# KiCad board Bridge.kicad_pcb (continued)
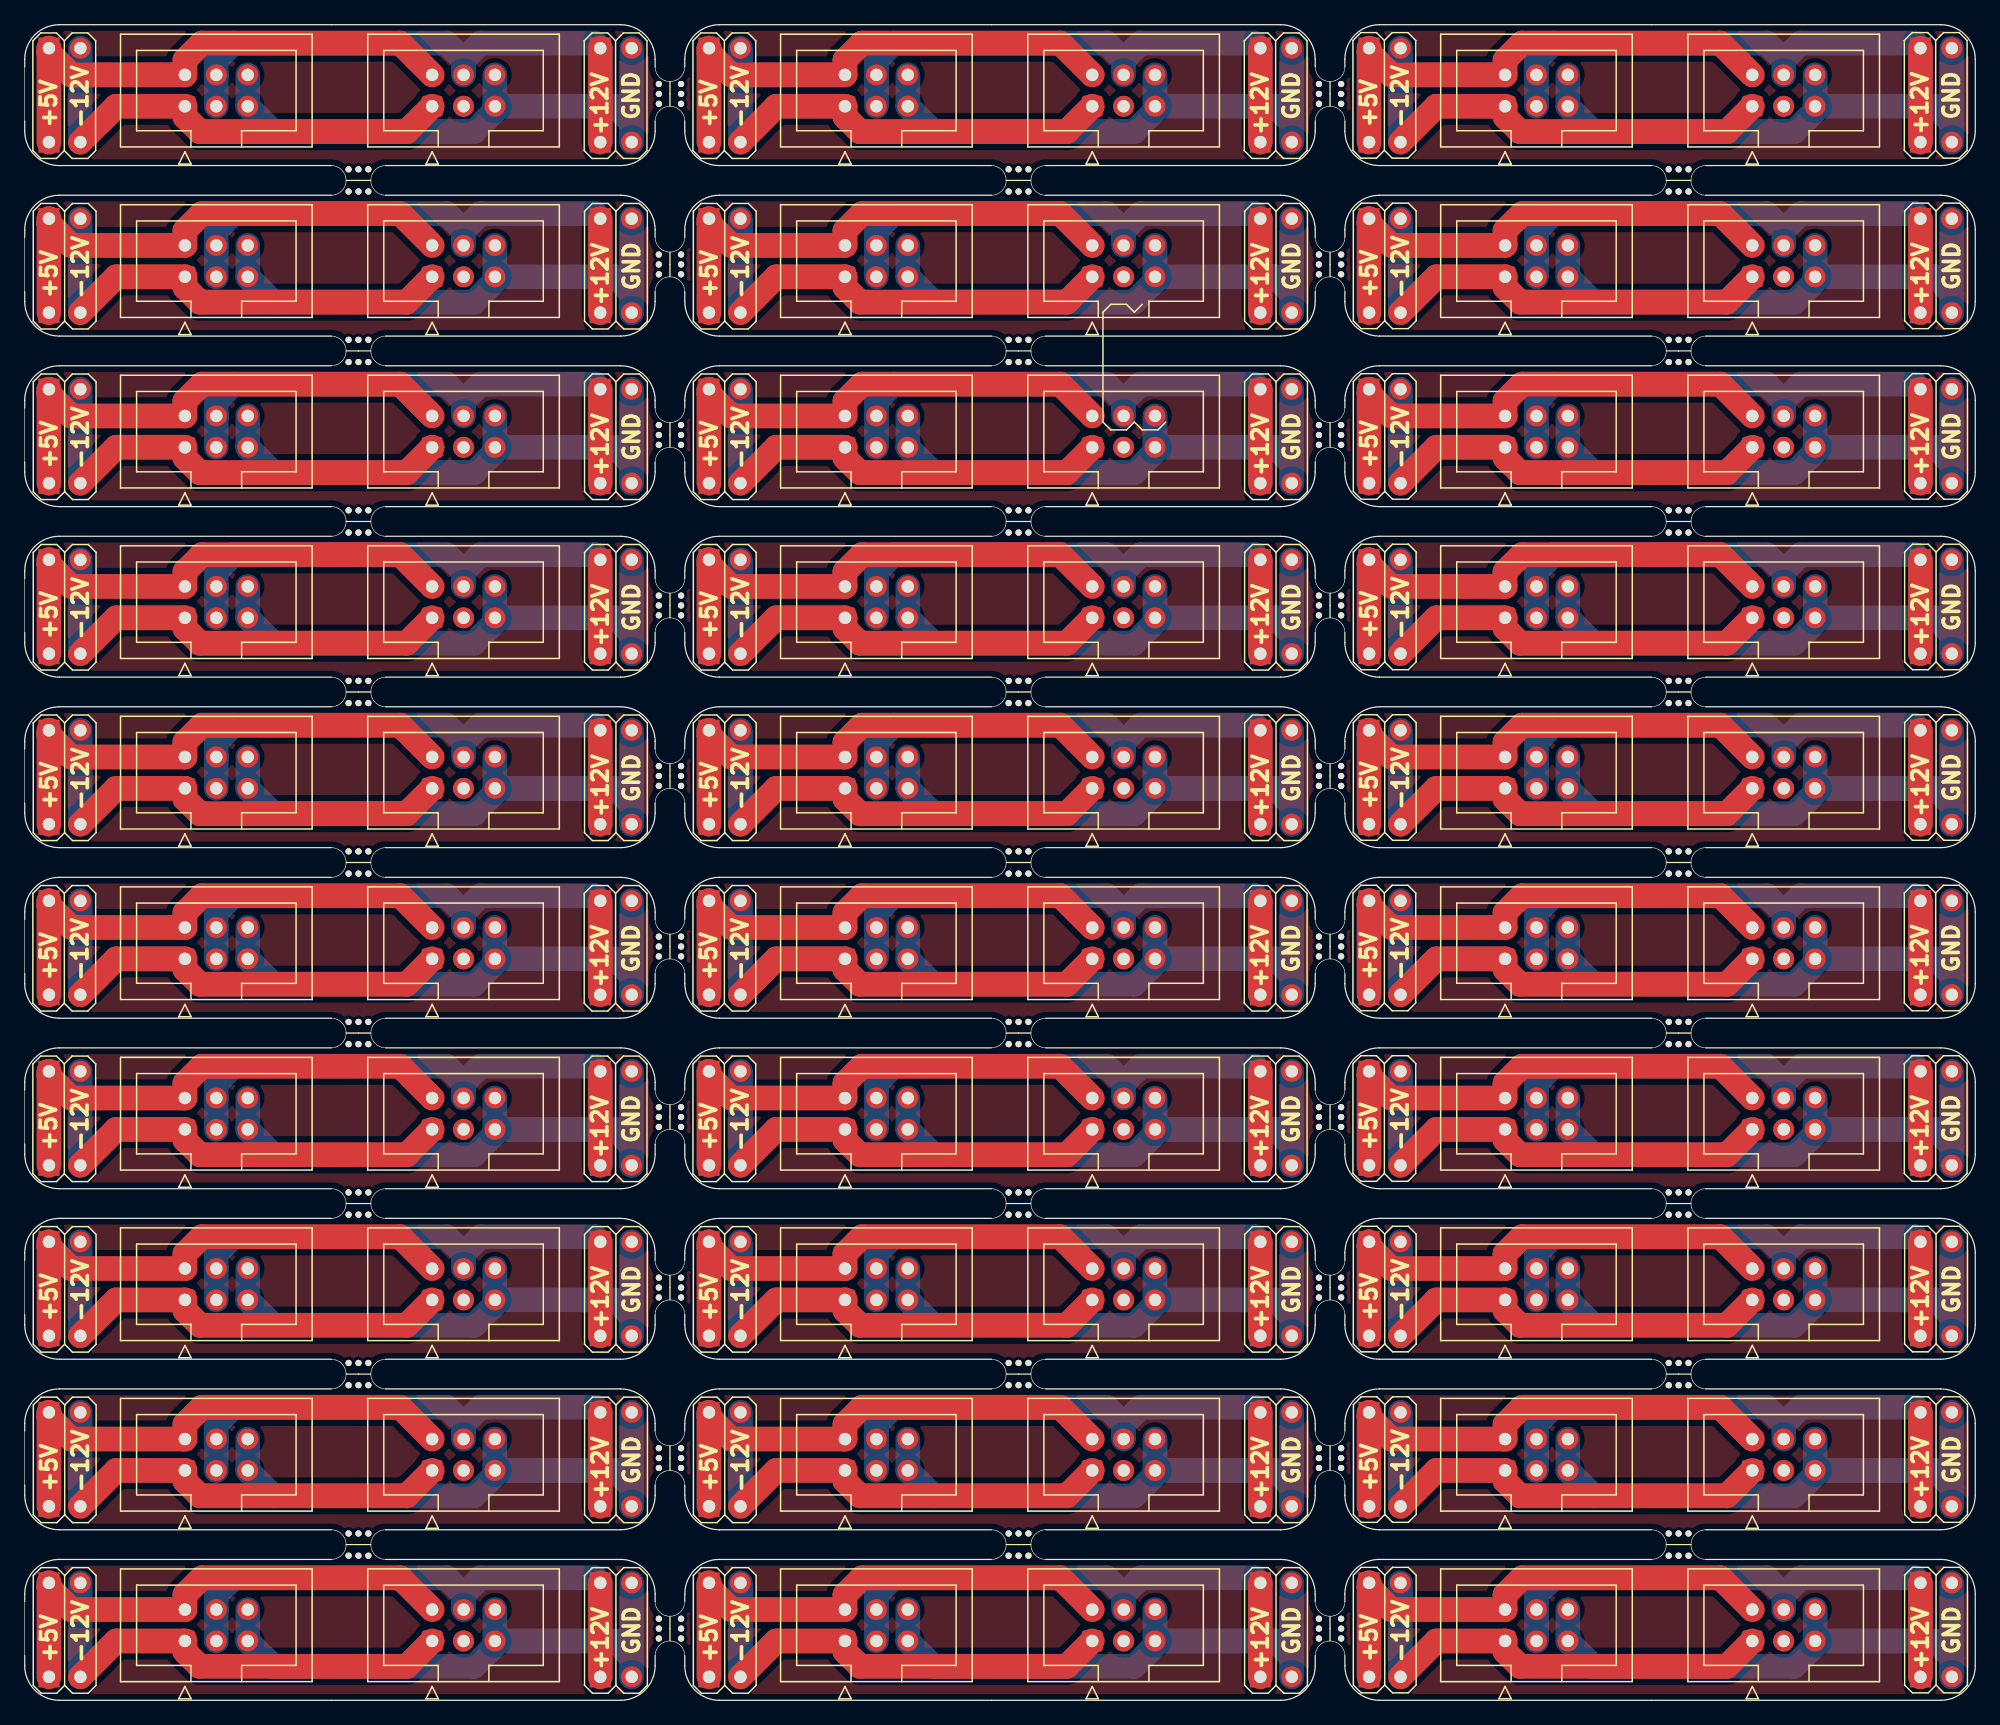
[diagram p0: board, top side]
## Placement (name value [footprint] x y rotation side) (continued)
J16#24  SE  [PinHeader_1x02_P2.54mm_Vertical]  153.36 126.1 270 bottom
J16#25  SE  [PinHeader_1x02_P2.54mm_Vertical]  99.96 15.7 270 bottom
J16#26  SE  [PinHeader_1x02_P2.54mm_Vertical]  99.96 29.5 270 bottom
J16#27  SE  [PinHeader_1x02_P2.54mm_Vertical]  153.36 84.7 270 bottom
J16#28  SE  [PinHeader_1x02_P2.54mm_Vertical]  46.56 126.1 270 bottom
J16#29  SE  [PinHeader_1x02_P2.54mm_Vertical]  46.56 57.1 270 bottom
J16#30  SE  [PinHeader_1x02_P2.54mm_Vertical]  46.56 70.9 270 bottom
REF**  -  [Mousebite2mm]  52.2 130 90 top
REF**#2  -  [Mousebite2mm]  80.4 123 0 top
REF**#3  -  [Mousebite2mm]  133.8 40.2 0 top
REF**#4  -  [Mousebite2mm]  133.8 54 0 top
REF**#5  -  [Mousebite2mm]  105.6 102.4 90 top
REF**#6  -  [Mousebite2mm]  27 12.6 0 top
REF**#7  -  [Mousebite2mm]  105.6 116.2 90 top
REF**#8  -  [Mousebite2mm]  52.2 61 90 top
REF**#9  -  [Mousebite2mm]  80.4 109.2 0 top
REF**#10  -  [Mousebite2mm]  27 81.6 0 top
REF**#11  -  [Mousebite2mm]  133.8 81.6 0 top
REF**#12  -  [Mousebite2mm]  80.4 81.6 0 top
REF**#13  -  [Mousebite2mm]  105.6 88.6 90 top
REF**#14  -  [Mousebite2mm]  80.4 67.8 0 top
REF**#15  -  [Mousebite2mm]  105.6 130 90 top
REF**#16  -  [Mousebite2mm]  105.6 5.8 90 top
REF**#17  -  [Mousebite2mm]  27 95.4 0 top
REF**#18  -  [Mousebite2mm]  52.2 33.4 90 top
REF**#19  -  [Mousebite2mm]  133.8 26.4 0 top
REF**#20  -  [Mousebite2mm]  133.8 67.8 0 top
REF**#21  -  [Mousebite2mm]  52.2 47.2 90 top
REF**#22  -  [Mousebite2mm]  80.4 54 0 top
REF**#23  -  [Mousebite2mm]  52.2 74.8 90 top
REF**#24  -  [Mousebite2mm]  105.6 74.8 90 top
REF**#25  -  [Mousebite2mm]  52.2 19.6 90 top
REF**#26  -  [Mousebite2mm]  105.6 47.2 90 top
REF**#27  -  [Mousebite2mm]  80.4 95.4 0 top
REF**#28  -  [Mousebite2mm]  80.4 40.2 0 top
REF**#29  -  [Mousebite2mm]  52.2 102.4 90 top
REF**#30  -  [Mousebite2mm]  133.8 12.6 0 top
REF**#31  -  [Mousebite2mm]  27 40.2 0 top
REF**#32  -  [Mousebite2mm]  27 109.2 0 top
REF**#33  -  [Mousebite2mm]  133.8 95.4 0 top
REF**#34  -  [Mousebite2mm]  52.2 116.2 90 top
REF**#35  -  [Mousebite2mm]  27 123 0 top
REF**#36  -  [Mousebite2mm]  80.4 12.6 0 top
REF**#37  -  [Mousebite2mm]  27 67.8 0 top
REF**#38  -  [Mousebite2mm]  105.6 33.4 90 top
REF**#39  -  [Mousebite2mm]  27 54 0 top
REF**#40  -  [Mousebite2mm]  52.2 88.6 90 top
REF**#41  -  [Mousebite2mm]  52.2 5.8 90 top
REF**#42  -  [Mousebite2mm]  105.6 61 90 top
REF**#43  -  [Mousebite2mm]  133.8 109.2 0 top
REF**#44  -  [Mousebite2mm]  80.4 26.4 0 top
REF**#45  -  [Mousebite2mm]  105.6 19.6 90 top
REF**#46  -  [Mousebite2mm]  133.8 123 0 top
REF**#47  -  [Mousebite2mm]  27 26.4 0 top

## Footprints (pads in the part's own frame, mm; a bottom-side part is the same pattern mirrored in y, then rotated)
IDC-Header_2x03_P2.54mm_Vertical
  rrect 1.7x1.7 hole 1: 1(0,0)
  round 1.7 hole 1: 2(2.54,0) 3(0,-2.54) 4(2.54,-2.54) 5(0,-5.08) 6(2.54,-5.08)
Mousebite2mm
  round 0.5 hole 0.5 unplated: (-0.8,0.9) (-0.8,-0.9) (0,0.9) (0,-0.9) (0.8,0.9) (0.8,-0.9)
PinHeader_1x02_P2.54mm_Vertical
  rect 1.7x1.7 hole 1: 1(0,0)
  oval 1.7x1.7 hole 1: 2(0,-2.54)

## Nets
DIST+5: J1.2 J1#2.2 J1#3.2 J1#4.2 J1#5.2 J1#6.2 J1#7.2 J1#8.2 J1#9.2 J1#10.2 J1#11.2 J1#12.2 J1#13.2 J1#14.2 J1#15.2 J1#16.2 J1#17.2 J1#18.2 J1#19.2 J1#20.2 J1#21.2 J1#22.2 J1#23.2 J1#24.2 J1#25.2 J1#26.2 J1#27.2 J1#28.2 J1#29.2 J1#30.2 J4.2 J4#2.2 J4#3.2 J4#4.2 J4#5.2 J4#6.2 J4#7.2 J4#8.2 J4#9.2 J4#10.2 J4#11.2 J4#12.2 J4#13.2 J4#14.2 J4#15.2 J4#16.2 J4#17.2 J4#18.2 J4#19.2 J4#20.2 J4#21.2 J4#22.2 J4#23.2 J4#24.2 J4#25.2 J4#26.2 J4#27.2 J4#28.2 J4#29.2 J4#30.2 J7.1 J7#2.1 J7#3.1 J7#4.1 J7#5.1 J7#6.1 J7#7.1 J7#8.1 J7#9.1 J7#10.1 J7#11.1 J7#12.1 J7#13.1 J7#14.1 J7#15.1 J7#16.1 J7#17.1 J7#18.1 J7#19.1 J7#20.1 J7#21.1 J7#22.1 J7#23.1 J7#24.1 J7#25.1 J7#26.1 J7#27.1 J7#28.1 J7#29.1 J7#30.1 J10.1 J10#2.1 J10#3.1 J10#4.1 J10#5.1 J10#6.1 J10#7.1 J10#8.1 J10#9.1 J10#10.1 J10#11.1 J10#12.1 J10#13.1 J10#14.1 J10#15.1 J10#16.1 J10#17.1 J10#18.1 J10#19.1 J10#20.1 J10#21.1 J10#22.1 J10#23.1 J10#24.1 J10#25.1 J10#26.1 J10#27.1 J10#28.1 J10#29.1 J10#30.1
DIST+12: J1.3 J1.4 J1#2.3 J1#2.4 J1#3.3 J1#3.4 J1#4.3 J1#4.4 J1#5.3 J1#5.4 J1#6.3 J1#6.4 J1#7.3 J1#7.4 J1#8.3 J1#8.4 J1#9.3 J1#9.4 J1#10.3 J1#10.4 J1#11.3 J1#11.4 J1#12.3 J1#12.4 J1#13.3 J1#13.4 J1#14.3 J1#14.4 J1#15.3 J1#15.4 J1#16.3 J1#16.4 J1#17.3 J1#17.4 J1#18.3 J1#18.4 J1#19.3 J1#19.4 J1#20.3 J1#20.4 J1#21.3 J1#21.4 J1#22.3 J1#22.4 J1#23.3 J1#23.4 J1#24.3 J1#24.4 J1#25.3 J1#25.4 J1#26.3 J1#26.4 J1#27.3 J1#27.4 J1#28.3 J1#28.4 J1#29.3 J1#29.4 J1#30.3 J1#30.4 J4.3 J4.4 J4#2.3 J4#2.4 J4#3.3 J4#3.4 J4#4.3 J4#4.4 J4#5.3 J4#5.4 J4#6.3 J4#6.4 J4#7.3 J4#7.4 J4#8.3 J4#8.4 J4#9.3 J4#9.4 J4#10.3 J4#10.4 J4#11.3 J4#11.4 J4#12.3 J4#12.4 J4#13.3 J4#13.4 J4#14.3 J4#14.4 J4#15.3 J4#15.4 J4#16.3 J4#16.4 J4#17.3 J4#17.4 J4#18.3 J4#18.4 J4#19.3 J4#19.4 J4#20.3 J4#20.4 J4#21.3 J4#21.4 J4#22.3 J4#22.4 J4#23.3 J4#23.4 J4#24.3 J4#24.4 J4#25.3 J4#25.4 J4#26.3 J4#26.4 J4#27.3 J4#27.4 J4#28.3 J4#28.4 J4#29.3 J4#29.4 J4#30.3 J4#30.4 J13.1 J13#2.1 J13#3.1 J13#4.1 J13#5.1 J13#6.1 J13#7.1 J13#8.1 J13#9.1 J13#10.1 J13#11.1 J13#12.1 J13#13.1 J13#14.1 J13#15.1 J13#16.1 J13#17.1 J13#18.1 J13#19.1 J13#20.1 J13#21.1 J13#22.1 J13#23.1 J13#24.1 J13#25.1 J13#26.1 J13#27.1 J13#28.1 J13#29.1 J13#30.1 J16.1 J16#2.1 J16#3.1 J16#4.1 J16#5.1 J16#6.1 J16#7.1 J16#8.1 J16#9.1 J16#10.1 J16#11.1 J16#12.1 J16#13.1 J16#14.1 J16#15.1 J16#16.1 J16#17.1 J16#18.1 J16#19.1 J16#20.1 J16#21.1 J16#22.1 J16#23.1 J16#24.1 J16#25.1 J16#26.1 J16#27.1 J16#28.1 J16#29.1 J16#30.1
DIST-12: J1.1 J1#2.1 J1#3.1 J1#4.1 J1#5.1 J1#6.1 J1#7.1 J1#8.1 J1#9.1 J1#10.1 J1#11.1 J1#12.1 J1#13.1 J1#14.1 J1#15.1 J1#16.1 J1#17.1 J1#18.1 J1#19.1 J1#20.1 J1#21.1 J1#22.1 J1#23.1 J1#24.1 J1#25.1 J1#26.1 J1#27.1 J1#28.1 J1#29.1 J1#30.1 J4.1 J4#2.1 J4#3.1 J4#4.1 J4#5.1 J4#6.1 J4#7.1 J4#8.1 J4#9.1 J4#10.1 J4#11.1 J4#12.1 J4#13.1 J4#14.1 J4#15.1 J4#16.1 J4#17.1 J4#18.1 J4#19.1 J4#20.1 J4#21.1 J4#22.1 J4#23.1 J4#24.1 J4#25.1 J4#26.1 J4#27.1 J4#28.1 J4#29.1 J4#30.1 J7.2 J7#2.2 J7#3.2 J7#4.2 J7#5.2 J7#6.2 J7#7.2 J7#8.2 J7#9.2 J7#10.2 J7#11.2 J7#12.2 J7#13.2 J7#14.2 J7#15.2 J7#16.2 J7#17.2 J7#18.2 J7#19.2 J7#20.2 J7#21.2 J7#22.2 J7#23.2 J7#24.2 J7#25.2 J7#26.2 J7#27.2 J7#28.2 J7#29.2 J7#30.2 J10.2 J10#2.2 J10#3.2 J10#4.2 J10#5.2 J10#6.2 J10#7.2 J10#8.2 J10#9.2 J10#10.2 J10#11.2 J10#12.2 J10#13.2 J10#14.2 J10#15.2 J10#16.2 J10#17.2 J10#18.2 J10#19.2 J10#20.2 J10#21.2 J10#22.2 J10#23.2 J10#24.2 J10#25.2 J10#26.2 J10#27.2 J10#28.2 J10#29.2 J10#30.2
DISTGND: J1.5 J1.6 J1#2.5 J1#2.6 J1#3.5 J1#3.6 J1#4.5 J1#4.6 J1#5.5 J1#5.6 J1#6.5 J1#6.6 J1#7.5 J1#7.6 J1#8.5 J1#8.6 J1#9.5 J1#9.6 J1#10.5 J1#10.6 J1#11.5 J1#11.6 J1#12.5 J1#12.6 J1#13.5 J1#13.6 J1#14.5 J1#14.6 J1#15.5 J1#15.6 J1#16.5 J1#16.6 J1#17.5 J1#17.6 J1#18.5 J1#18.6 J1#19.5 J1#19.6 J1#20.5 J1#20.6 J1#21.5 J1#21.6 J1#22.5 J1#22.6 J1#23.5 J1#23.6 J1#24.5 J1#24.6 J1#25.5 J1#25.6 J1#26.5 J1#26.6 J1#27.5 J1#27.6 J1#28.5 J1#28.6 J1#29.5 J1#29.6 J1#30.5 J1#30.6 J4.5 J4.6 J4#2.5 J4#2.6 J4#3.5 J4#3.6 J4#4.5 J4#4.6 J4#5.5 J4#5.6 J4#6.5 J4#6.6 J4#7.5 J4#7.6 J4#8.5 J4#8.6 J4#9.5 J4#9.6 J4#10.5 J4#10.6 J4#11.5 J4#11.6 J4#12.5 J4#12.6 J4#13.5 J4#13.6 J4#14.5 J4#14.6 J4#15.5 J4#15.6 J4#16.5 J4#16.6 J4#17.5 J4#17.6 J4#18.5 J4#18.6 J4#19.5 J4#19.6 J4#20.5 J4#20.6 J4#21.5 J4#21.6 J4#22.5 J4#22.6 J4#23.5 J4#23.6 J4#24.5 J4#24.6 J4#25.5 J4#25.6 J4#26.5 J4#26.6 J4#27.5 J4#27.6 J4#28.5 J4#28.6 J4#29.5 J4#29.6 J4#30.5 J4#30.6 J13.2 J13#2.2 J13#3.2 J13#4.2 J13#5.2 J13#6.2 J13#7.2 J13#8.2 J13#9.2 J13#10.2 J13#11.2 J13#12.2 J13#13.2 J13#14.2 J13#15.2 J13#16.2 J13#17.2 J13#18.2 J13#19.2 J13#20.2 J13#21.2 J13#22.2 J13#23.2 J13#24.2 J13#25.2 J13#26.2 J13#27.2 J13#28.2 J13#29.2 J13#30.2 J16.2 J16#2.2 J16#3.2 J16#4.2 J16#5.2 J16#6.2 J16#7.2 J16#8.2 J16#9.2 J16#10.2 J16#11.2 J16#12.2 J16#13.2 J16#14.2 J16#15.2 J16#16.2 J16#17.2 J16#18.2 J16#19.2 J16#20.2 J16#21.2 J16#22.2 J16#23.2 J16#24.2 J16#25.2 J16#26.2 J16#27.2 J16#28.2 J16#29.2 J16#30.2

## Routing (per net, layer and track width the routed paths; a pad name or vN(x,y) marks a point on that pad's centre or on a via; arc(x,y) is an arc through that point)
DIST+5: length 1276.2
  Top w2: J1#21.2 137.19,78.91 121.13,78.91 119.76,77.54 J4#20.2 110.56,76.34 108.76,78.14 J7#25.1 J10#27.1 ; J10#11.1 J7#3.1 1.96,91.94 3.76,90.14 J4#21.2 12.96,91.34 14.33,92.71 30.39,92.71 J1#17.2 ; J1#29.2 30.39,51.31 14.33,51.31 12.96,49.94 J4#16.2 3.76,48.74 1.96,50.54 J7#30.1 J10#21.1 ; J1#14.2 137.19,23.71 121.13,23.71 119.76,22.34 J4#13.2 110.56,21.14 108.76,22.94 J7#22.1 J10#17.1 ; J10#20.1 J7#2.1 55.36,91.94 57.16,90.14 J4#2.2 66.36,91.34 67.73,92.71 83.79,92.71 J1#3.2 ; J10#10.1 J7#19.1 108.76,119.54 110.56,117.74 J4#18.2 119.76,118.94 121.13,120.31 137.19,120.31 J1#13.2 ; J1#20.2 30.39,9.91 14.33,9.91 12.96,8.54 J4#15.2 3.76,7.34 1.96,9.14 J7#7.1 J10#26.1 ; J10#4.1 J7#18.1 108.76,105.74 110.56,103.94 J4#25.2 119.76,105.14 121.13,106.51 137.19,106.51 J1#11.2 ; J1#24.2 30.39,134.11 14.33,134.11 12.96,132.74 J4#3.2 3.76,131.54 1.96,133.34 J7#4.1 J10#3.1 ; J1#16.2 83.79,78.91 67.73,78.91 66.36,77.54 J4#11.2 57.16,76.34 55.36,78.14 J7#29.1 J10#18.1 ; J1#23.2 83.79,51.31 67.73,51.31 66.36,49.94 J4#12.2 57.16,48.74 55.36,50.54 J7#14.1 J10#9.1 ; J1#27.2 83.79,37.51 67.73,37.51 66.36,36.14 J4#7.2 57.16,34.94 55.36,36.74 J7#6.1 J10#25.1 ; J1.2 137.19,134.11 121.13,134.11 119.76,132.74 J4#23.2 110.56,131.54 108.76,133.34 J7#17.1 J10#15.1 ; J10#19.1 J7#24.1 55.36,133.34 57.16,131.54 J4#29.2 66.36,132.74 67.73,134.11 83.79,134.11 J1#30.2 ; J1#18.2 137.19,65.11 121.13,65.11 119.76,63.74 J4#10.2 110.56,62.54 108.76,64.34 J7#5.1 J10#23.1 ; J1#12.2 83.79,65.11 67.73,65.11 66.36,63.74 J4#26.2 57.16,62.54 55.36,64.34 J7#13.1 J10.1 ; J1#9.2 30.39,120.31 14.33,120.31 12.96,118.94 J4#6.2 3.76,117.74 1.96,119.54 J7#9.1 J10#30.1 ; J1#6.2 30.39,23.71 14.33,23.71 12.96,22.34 J4#9.2 3.76,21.14 1.96,22.94 J7#21.1 J10#16.1 ; J10#8.1 J7#11.1 1.96,36.74 3.76,34.94 J4#24.2 12.96,36.14 14.33,37.51 30.39,37.51 J1#7.2 ; J10#12.1 J7#20.1 55.36,119.54 57.16,117.74 J4#5.2 66.36,118.94 67.73,120.31 83.79,120.31 J1#10.2 ; J10#29.1 J7#8.1 55.36,22.94 57.16,21.14 J4#4.2 66.36,22.34 67.73,23.71 83.79,23.71 J1#25.2 ; J1#2.2 137.19,92.71 121.13,92.71 119.76,91.34 J4#14.2 110.56,90.14 108.76,91.94 J7.1 J10#22.1 ; J10#7.1 J7#23.1 55.36,9.14 57.16,7.34 J4.2 66.36,8.54 67.73,9.91 83.79,9.91 J1#22.2 ; J1#26.2 30.39,78.91 14.33,78.91 12.96,77.54 J4#28.2 3.76,76.34 1.96,78.14 J7#26.1 J10#6.1 ; J10#5.1 J7#12.1 1.96,64.34 3.76,62.54 J4#8.2 12.96,63.74 14.33,65.11 30.39,65.11 J1#28.2 ; J1#15.2 137.19,37.51 121.13,37.51 119.76,36.14 J4#30.2 110.56,34.94 108.76,36.74 J7#16.1 J10#2.1 ; J10#28.1 J7#28.1 1.96,105.74 3.76,103.94 J4#27.2 12.96,105.14 14.33,106.51 30.39,106.51 J1#8.2 ; J10#14.1 J7#27.1 108.76,50.54 110.56,48.74 J4#19.2 119.76,49.94 121.13,51.31 137.19,51.31 J1#19.2 ; J1#5.2 137.19,9.91 121.13,9.91 119.76,8.54 J4#22.2 110.56,7.34 108.76,9.14 J7#10.1 J10#24.1 ; J10#13.1 J7#15.1 55.36,105.74 57.16,103.94 J4#17.2 66.36,105.14 67.73,106.51 83.79,106.51 J1#4.2
DIST+12: length 1364.2
  Top w2: J13#27.1 J16#8.1 ; J13#28.1 J16#9.1 ; J13#30.1 J16#3.1 ; J13#11.1 J16#16.1 ; J13#26.1 J16#23.1 ; J13#12.1 J16#10.1 ; J13#14.1 J16#22.1 ; J13#21.1 J16#6.1 ; J13#6.1 J16#29.1 ; J13#17.1 J16#13.1 ; J13#18.1 J16#27.1 ; J13#7.1 J16#4.1 ; J13#19.1 J16#15.1 ; J13#9.1 J16#24.1 ; J13#20.1 J16#7.1 ; J13#13.1 J16#12.1 ; J13.1 J16#5.1 ; J13#2.1 J16#30.1 ; J13#4.1 J16.1 ; J13#25.1 J16#25.1 ; J13#5.1 J16#11.1 ; J13#24.1 J16#26.1 ; J13#29.1 J16#2.1 ; J13#16.1 J16#20.1 ; J13#8.1 J16#14.1 ; J13#22.1 J16#19.1 ; J13#15.1 J16#18.1 ; J13#23.1 J16#17.1 ; J13#3.1 J16#21.1 ; J13#10.1 J16#28.1
  Bottom w2: J1#14.4 142.3,22.34 ; 142.3,22.34 140.93,23.71 123.67,23.71 122.3,22.34 J4#13.4 J4#13.3 ; 142.3,22.34 143.67,23.71 152.95,23.71 J13#4.1 ; J4#24.3 J4#24.4 15.5,36.14 16.87,37.51 34.13,37.51 35.5,36.14 ; J13#27.1 99.55,120.31 90.27,120.31 88.9,118.94 ; 35.5,49.94 34.13,51.31 16.87,51.31 15.5,49.94 J4#16.4 J4#16.3 ; 35.5,49.94 J1#29.4 ; 35.5,49.94 36.87,51.31 46.15,51.31 J13#15.1 ; J13#25.1 99.55,23.71 90.27,23.71 88.9,22.34 ; 88.9,22.34 87.53,23.71 70.27,23.71 68.9,22.34 J4#4.4 J4#4.3 ; 88.9,22.34 J1#25.4 ; 88.9,132.74 87.53,134.11 70.27,134.11 68.9,132.74 J4#29.4 J4#29.3 ; 88.9,132.74 J1#30.4 ; 88.9,132.74 90.27,134.11 99.55,134.11 J13#8.1 ; J13#5.1 46.15,120.31 36.87,120.31 35.5,118.94 ; J4#30.3 J4#30.4 122.3,36.14 123.67,37.51 140.93,37.51 142.3,36.14 ; J13#18.1 152.95,92.71 143.67,92.71 142.3,91.34 ; 35.5,36.14 36.87,37.51 46.15,37.51 J13#7.1 ; 35.5,36.14 J1#7.4 ; 142.3,8.54 143.67,9.91 152.95,9.91 J13.1 ; 142.3,8.54 J1#5.4 ; 142.3,8.54 140.93,9.91 123.67,9.91 122.3,8.54 J4#22.4 J4#22.3 ; J4#7.3 J4#7.4 68.9,36.14 70.27,37.51 87.53,37.51 88.9,36.14 ; 35.5,105.14 36.87,106.51 46.15,106.51 J13#26.1 ; 35.5,105.14 J1#8.4 ; 35.5,105.14 34.13,106.51 16.87,106.51 15.5,105.14 J4#27.4 J4#27.3 ; J1#28.4 35.5,63.74 ; 35.5,63.74 36.87,65.11 46.15,65.11 J13#6.1 ; 35.5,63.74 34.13,65.11 16.87,65.11 15.5,63.74 J4#8.4 J4#8.3 ; 88.9,91.34 87.53,92.71 70.27,92.71 68.9,91.34 J4#2.4 J4#2.3 ; 88.9,91.34 J1#3.4 ; 88.9,91.34 90.27,92.71 99.55,92.71 J13#21.1 ; 88.9,36.14 90.27,37.51 99.55,37.51 J13#24.1 ; 88.9,36.14 J1#27.4 ; 35.5,91.34 34.13,92.71 16.87,92.71 15.5,91.34 J4#21.4 J4#21.3 ; 35.5,91.34 J1#17.4 ; 35.5,91.34 36.87,92.71 46.15,92.71 J13#29.1 ; J1#11.4 142.3,105.14 ; 142.3,105.14 140.93,106.51 123.67,106.51 122.3,105.14 J4#25.4 J4#25.3 ; 142.3,105.14 143.67,106.51 152.95,106.51 J13#22.1 ; 142.3,49.94 140.93,51.31 123.67,51.31 122.3,49.94 J4#19.4 J4#19.3 ; 142.3,49.94 143.67,51.31 152.95,51.31 J13#14.1 ; 142.3,49.94 J1#19.4 ; 142.3,91.34 140.93,92.71 123.67,92.71 122.3,91.34 J4#14.4 J4#14.3 ; 142.3,91.34 J1#2.4 ; J1#9.4 35.5,118.94 ; 35.5,118.94 34.13,120.31 16.87,120.31 15.5,118.94 J4#6.4 J4#6.3 ; J13#16.1 46.15,9.91 36.87,9.91 35.5,8.54 ; 35.5,22.34 34.13,23.71 16.87,23.71 15.5,22.34 J4#9.4 J4#9.3 ; 35.5,22.34 J1#6.4 ; 35.5,22.34 36.87,23.71 46.15,23.71 J13#28.1 ; J13#19.1 152.95,37.51 143.67,37.51 142.3,36.14 ; J4#12.3 J4#12.4 68.9,49.94 70.27,51.31 87.53,51.31 88.9,49.94 ; J1#15.4 142.3,36.14 ; 142.3,63.74 143.67,65.11 152.95,65.11 J13#17.1 ; 142.3,63.74 140.93,65.11 123.67,65.11 122.3,63.74 J4#10.4 J4#10.3 ; 142.3,63.74 J1#18.4 ; J1#20.4 35.5,8.54 ; 35.5,8.54 34.13,9.91 16.87,9.91 15.5,8.54 J4#15.4 J4#15.3 ; 35.5,77.54 34.13,78.91 16.87,78.91 15.5,77.54 J4#28.4 J4#28.3 ; 35.5,77.54 J1#26.4 ; 35.5,77.54 36.87,78.91 46.15,78.91 J13#2.1 ; J1#16.4 88.9,77.54 ; 88.9,77.54 87.53,78.91 70.27,78.91 68.9,77.54 J4#11.4 J4#11.3 ; 88.9,77.54 90.27,78.91 99.55,78.91 J13#13.1 ; J1#24.4 35.5,132.74 ; 35.5,132.74 34.13,134.11 16.87,134.11 15.5,132.74 J4#3.4 J4#3.3 ; 35.5,132.74 36.87,134.11 46.15,134.11 J13#10.1 ; J4#17.3 J4#17.4 68.9,105.14 70.27,106.51 87.53,106.51 88.9,105.14 ; J1#21.4 142.3,77.54 ; 142.3,77.54 143.67,78.91 152.95,78.91 J13#23.1 ; 142.3,77.54 140.93,78.91 123.67,78.91 122.3,77.54 J4#20.4 J4#20.3 ; J1#22.4 88.9,8.54 ; 88.9,8.54 87.53,9.91 70.27,9.91 68.9,8.54 J4.4 J4.3 ; 88.9,8.54 90.27,9.91 99.55,9.91 J13#3.1 ; 88.9,49.94 90.27,51.31 99.55,51.31 J13#20.1 ; 88.9,49.94 J1#23.4 ; J4#5.3 J4#5.4 68.9,118.94 70.27,120.31 87.53,120.31 88.9,118.94 ; J1.4 142.3,132.74 ; 142.3,132.74 143.67,134.11 152.95,134.11 J13#9.1 ; 142.3,132.74 140.93,134.11 123.67,134.11 122.3,132.74 J4#23.4 J4#23.3 ; J1#12.4 88.9,63.74 ; 88.9,63.74 87.53,65.11 70.27,65.11 68.9,63.74 J4#26.4 J4#26.3 ; 88.9,63.74 90.27,65.11 99.55,65.11 J13#11.1 ; 142.3,118.94 143.67,120.31 152.95,120.31 J13#30.1 ; 142.3,118.94 J1#13.4 ; 142.3,118.94 140.93,120.31 123.67,120.31 122.3,118.94 J4#18.4 J4#18.3 ; J13#12.1 99.55,106.51 90.27,106.51 88.9,105.14 ; J1#4.4 88.9,105.14 ; J1#10.4 88.9,118.94
DIST-12: length 1183.7
  Top w2: J10.2 60.8,60 J4#26.1 66.36,59.15 67.56,57.95 84.31,57.95 J1#12.1 ; J10#13.2 60.8,101.4 J4#17.1 66.36,100.55 67.56,99.35 84.31,99.35 J1#4.1 ; J1#19.1 137.71,44.15 120.96,44.15 119.76,45.35 J4#19.1 114.2,46.2 J10#14.2 ; J10#26.2 7.4,4.8 J4#15.1 12.96,3.95 14.16,2.75 30.91,2.75 J1#20.1 ; J1#2.1 137.71,85.55 120.96,85.55 119.76,86.75 J4#14.1 114.2,87.6 J10#22.2 ; J10#4.2 114.2,101.4 J4#25.1 119.76,100.55 120.96,99.35 137.71,99.35 J1#11.1 ; J10#29.2 60.8,18.6 J4#4.1 66.36,17.75 67.56,16.55 84.31,16.55 J1#25.1 ; J10#24.2 114.2,4.8 J4#22.1 119.76,3.95 120.96,2.75 137.71,2.75 J1#5.1 ; J10#21.2 7.4,46.2 J4#16.1 12.96,45.35 14.16,44.15 30.91,44.15 J1#29.1 ; J1#16.1 84.31,71.75 67.56,71.75 66.36,72.95 J4#11.1 60.8,73.8 J10#18.2 ; J1#17.1 30.91,85.55 14.16,85.55 12.96,86.75 J4#21.1 7.4,87.6 J10#11.2 ; J10#19.2 60.8,129 J4#29.1 66.36,128.15 67.56,126.95 84.31,126.95 J1#30.1 ; J1#24.1 30.91,126.95 14.16,126.95 12.96,128.15 J4#3.1 7.4,129 J10#3.2 ; J10#2.2 114.2,32.4 J4#30.1 119.76,31.55 120.96,30.35 137.71,30.35 J1#15.1 ; J10#12.2 60.8,115.2 J4#5.1 66.36,114.35 67.56,113.15 84.31,113.15 J1#10.1 ; J10#25.2 60.8,32.4 J4#7.1 66.36,31.55 67.56,30.35 84.31,30.35 J1#27.1 ; J10#7.2 60.8,4.8 J4.1 66.36,3.95 67.56,2.75 84.31,2.75 J1#22.1 ; J10#8.2 7.4,32.4 J4#24.1 12.96,31.55 14.16,30.35 30.91,30.35 J1#7.1 ; J10#23.2 114.2,60 J4#10.1 119.76,59.15 120.96,57.95 137.71,57.95 J1#18.1 ; J1#14.1 137.71,16.55 120.96,16.55 119.76,17.75 J4#13.1 114.2,18.6 J10#17.2 ; J1#28.1 30.91,57.95 14.16,57.95 12.96,59.15 J4#8.1 7.4,60 J10#5.2 ; J10#28.2 7.4,101.4 J4#27.1 12.96,100.55 14.16,99.35 30.91,99.35 J1#8.1 ; J1#3.1 84.31,85.55 67.56,85.55 66.36,86.75 J4#2.1 60.8,87.6 J10#20.2 ; J1#9.1 30.91,113.15 14.16,113.15 12.96,114.35 J4#6.1 7.4,115.2 J10#30.2 ; J10#10.2 114.2,115.2 J4#18.1 119.76,114.35 120.96,113.15 137.71,113.15 J1#13.1 ; J1.1 137.71,126.95 120.96,126.95 119.76,128.15 J4#23.1 114.2,129 J10#15.2 ; J1#21.1 137.71,71.75 120.96,71.75 119.76,72.95 J4#20.1 114.2,73.8 J10#27.2 ; J1#23.1 84.31,44.15 67.56,44.15 66.36,45.35 J4#12.1 60.8,46.2 J10#9.2 ; J10#6.2 7.4,73.8 J4#28.1 12.96,72.95 14.16,71.75 30.91,71.75 J1#26.1 ; J10#16.2 7.4,18.6 J4#9.1 12.96,17.75 14.16,16.55 30.91,16.55 J1#6.1
  Bottom w2: J7#10.2 J10#24.2 ; J7#27.2 J10#14.2 ; J7#4.2 J10#3.2 ; J7#8.2 J10#29.2 ; J7#12.2 J10#5.2 ; J7#25.2 J10#27.2 ; J7#11.2 J10#8.2 ; J7#5.2 J10#23.2 ; J7#20.2 J10#12.2 ; J7#7.2 J10#26.2 ; J7#24.2 J10#19.2 ; J7#30.2 J10#21.2 ; J7#29.2 J10#18.2 ; J7#14.2 J10#9.2 ; J7#6.2 J10#25.2 ; J7.2 J10#22.2 ; J7#15.2 J10#13.2 ; J7#22.2 J10#17.2 ; J7#2.2 J10#20.2 ; J7#16.2 J10#2.2 ; J7#28.2 J10#28.2 ; J7#9.2 J10#30.2 ; J7#21.2 J10#16.2 ; J7#13.2 J10.2 ; J7#17.2 J10#15.2 ; J7#26.2 J10#6.2 ; J7#19.2 J10#10.2 ; J7#18.2 J10#4.2 ; J7#3.2 J10#11.2 ; J7#23.2 J10#7.2
DISTGND: length 1432.9
  Bottom w2: J4#28.6 J4#28.5 20.09,71.75 36.35,71.75 38.04,73.44 J1#26.5 ; J1#19.5 144.84,45.84 143.15,44.15 126.89,44.15 J4#19.5 J4#19.6 ; J1#19.5 154.56,46.2 155.9,44.86 J16#22.2 J13#14.2 ; J1#19.5 J1#19.6 ; J4#7.6 J4#7.5 73.49,30.35 89.75,30.35 91.44,32.04 J1#27.5 ; J1#12.6 J1#12.5 ; J1#12.5 91.44,59.64 89.75,57.95 73.49,57.95 J4#26.5 J4#26.6 ; J1#12.5 101.16,60 102.5,58.66 J16#16.2 J13#11.2 ; J1#13.5 154.56,115.2 155.9,113.86 J16#3.2 J13#30.2 ; J1#13.5 144.84,114.84 143.15,113.15 126.89,113.15 J4#18.5 J4#18.6 ; J1#13.5 J1#13.6 ; J1.5 154.56,129 155.9,127.66 J16#24.2 J13#9.2 ; J1.5 144.84,128.64 143.15,126.95 126.89,126.95 J4#23.5 J4#23.6 ; J1.5 J1.6 ; J4#3.6 J4#3.5 20.09,126.95 36.35,126.95 38.04,128.64 J1#24.5 ; J13#8.2 J16#14.2 102.5,127.66 101.16,129 J1#30.5 ; J1#8.6 J1#8.5 ; J1#8.5 47.76,101.4 49.1,100.06 J16#23.2 J13#26.2 ; J1#8.5 38.04,101.04 36.35,99.35 20.09,99.35 J4#27.5 J4#27.6 ; J1#2.5 154.56,87.6 155.9,86.26 J16#27.2 J13#18.2 ; J1#2.5 J1#2.6 ; J1#2.5 144.84,87.24 143.15,85.55 126.89,85.55 J4#14.5 J4#14.6 ; J13#5.2 J16#11.2 49.1,113.86 47.76,115.2 J1#9.5 ; J1#14.6 J1#14.5 ; J1#14.5 144.84,18.24 143.15,16.55 126.89,16.55 J4#13.5 J4#13.6 ; J1#14.5 154.56,18.6 155.9,17.26 J16.2 J13#4.2 ; J1#27.5 J1#27.6 ; J1#27.5 101.16,32.4 102.5,31.06 J16#26.2 J13#24.2 ; J1#7.5 47.76,32.4 49.1,31.06 J16#4.2 J13#7.2 ; J1#7.5 J1#7.6 ; J1#7.5 38.04,32.04 36.35,30.35 20.09,30.35 J4#24.5 J4#24.6 ; J13#6.2 J16#29.2 49.1,58.66 47.76,60 J1#28.5 ; J1#25.6 J1#25.5 ; J1#25.5 101.16,18.6 102.5,17.26 J16#25.2 J13#25.2 ; J1#25.5 91.44,18.24 89.75,16.55 73.49,16.55 J4#4.5 J4#4.6 ; J1#26.5 47.76,73.8 49.1,72.46 J16#30.2 J13#2.2 ; J1#26.5 J1#26.6 ; J1#15.5 154.56,32.4 155.9,31.06 J16#15.2 J13#19.2 ; J1#15.5 J1#15.6 ; J1#15.5 144.84,32.04 143.15,30.35 126.89,30.35 J4#30.5 J4#30.6 ; J4#20.6 J4#20.5 126.89,71.75 143.15,71.75 144.84,73.44 J1#21.5 ; J1#17.5 47.76,87.6 49.1,86.26 J16#2.2 J13#29.2 ; J1#17.5 J1#17.6 ; J1#17.5 38.04,87.24 36.35,85.55 20.09,85.55 J4#21.5 J4#21.6 ; J4#17.6 J4#17.5 73.49,99.35 89.75,99.35 91.44,101.04 J1#4.5 ; J1#5.6 J1#5.5 ; J1#5.5 144.84,4.44 143.15,2.75 126.89,2.75 J4#22.5 J4#22.6 ; J1#5.5 154.56,4.8 155.9,3.46 J16#5.2 J13.2 ; J1#10.5 101.16,115.2 102.5,113.86 J16#8.2 J13#27.2 ; J1#10.5 91.44,114.84 89.75,113.15 73.49,113.15 J4#5.5 J4#5.6 ; J1#10.5 J1#10.6 ; J13#15.2 J16#18.2 49.1,44.86 47.76,46.2 J1#29.5 ; J1#20.5 47.76,4.8 49.1,3.46 J16#20.2 J13#16.2 ; J1#20.5 J1#20.6 ; J1#20.5 38.04,4.44 36.35,2.75 20.09,2.75 J4#15.5 J4#15.6 ; J13#20.2 J16#7.2 102.5,44.86 101.16,46.2 J1#23.5 ; J1#3.5 91.44,87.24 89.75,85.55 73.49,85.55 J4#2.5 J4#2.6 ; J1#3.5 101.16,87.6 102.5,86.26 J16#6.2 J13#21.2 ; J1#3.5 J1#3.6 ; J1#30.5 91.44,128.64 89.75,126.95 73.49,126.95 J4#29.5 J4#29.6 ; J1#30.5 J1#30.6 ; J1#6.6 J1#6.5 ; J1#6.5 47.76,18.6 49.1,17.26 J16#9.2 J13#28.2 ; J1#6.5 38.04,18.24 36.35,16.55 20.09,16.55 J4#9.5 J4#9.6 ; J1#16.5 91.44,73.44 89.75,71.75 73.49,71.75 J4#11.5 J4#11.6 ; J1#16.5 J1#16.6 ; J1#16.5 101.16,73.8 102.5,72.46 J16#12.2 J13#13.2 ; J1#22.6 J1#22.5 ; J1#22.5 91.44,4.44 89.75,2.75 73.49,2.75 J4.5 J4.6 ; J1#22.5 101.16,4.8 102.5,3.46 J16#21.2 J13#3.2 ; J1#28.5 38.04,59.64 36.35,57.95 20.09,57.95 J4#8.5 J4#8.6 ; J1#28.5 J1#28.6 ; J1#29.6 J1#29.5 ; J1#29.5 38.04,45.84 36.35,44.15 20.09,44.15 J4#16.5 J4#16.6 ; J13#23.2 J16#17.2 155.9,72.46 154.56,73.8 J1#21.5 ; J1#18.5 144.84,59.64 143.15,57.95 126.89,57.95 J4#10.5 J4#10.6 ; J1#18.5 J1#18.6 ; J1#18.5 154.56,60 155.9,58.66 J16#13.2 J13#17.2 ; J1#24.5 J1#24.6 ; J1#24.5 47.76,129 49.1,127.66 J16#28.2 J13#10.2 ; J13#12.2 J16#10.2 102.5,100.06 101.16,101.4 J1#4.5 ; J1#21.5 J1#21.6 ; J1#23.6 J1#23.5 ; J1#23.5 91.44,45.84 89.75,44.15 73.49,44.15 J4#12.5 J4#12.6 ; J1#9.5 38.04,114.84 36.35,113.15 20.09,113.15 J4#6.5 J4#6.6 ; J1#9.5 J1#9.6 ; J1#4.5 J1#4.6 ; J13#22.2 J16#19.2 155.9,100.06 154.56,101.4 J1#11.5 ; J4#25.6 J4#25.5 126.89,99.35 143.15,99.35 144.84,101.04 J1#11.5 ; J1#11.5 J1#11.6

## Copper pours and planes (outline as drawn; the poured copper is in the pictures)
(no net) on Top: 104.5,108.1 53.3,108.1 53.3,96.5 104.5,96.5
(no net) on Top: 157.9,25.3 106.7,25.3 106.7,13.7 157.9,13.7
(no net) on Top: 104.5,39.1 53.3,39.1 53.3,27.5 104.5,27.5
(no net) on Top: 51.1,25.3 -0.1,25.3 -0.1,13.7 51.1,13.7
(no net) on Top: 104.5,66.7 53.3,66.7 53.3,55.1 104.5,55.1
(no net) on Top: 157.9,108.1 106.7,108.1 106.7,96.5 157.9,96.5
(no net) on Top: 51.1,108.1 -0.1,108.1 -0.1,96.5 51.1,96.5
(no net) on Top: 104.5,135.7 53.3,135.7 53.3,124.1 104.5,124.1
(no net) on Top: 51.1,121.9 -0.1,121.9 -0.1,110.3 51.1,110.3
(no net) on Top: 51.1,94.3 -0.1,94.3 -0.1,82.7 51.1,82.7
(no net) on Top: 51.1,52.9 -0.1,52.9 -0.1,41.3 51.1,41.3
(no net) on Top: 157.9,135.7 106.7,135.7 106.7,124.1 157.9,124.1
(no net) on Top: 157.9,94.3 106.7,94.3 106.7,82.7 157.9,82.7
(no net) on Top: 51.1,39.1 -0.1,39.1 -0.1,27.5 51.1,27.5
(no net) on Top: 51.1,135.7 -0.1,135.7 -0.1,124.1 51.1,124.1
(no net) on Top: 104.5,25.3 53.3,25.3 53.3,13.7 104.5,13.7
(no net) on Top: 157.9,39.1 106.7,39.1 106.7,27.5 157.9,27.5
(no net) on Top: 157.9,121.9 106.7,121.9 106.7,110.3 157.9,110.3
(no net) on Top: 51.1,11.5 -0.1,11.5 -0.1,-0.1 51.1,-0.1
(no net) on Top: 104.5,11.5 53.3,11.5 53.3,-0.1 104.5,-0.1
(no net) on Top: 51.1,80.5 -0.1,80.5 -0.1,68.9 51.1,68.9
(no net) on Top: 157.9,80.5 106.7,80.5 106.7,68.9 157.9,68.9
(no net) on Top: 104.5,52.9 53.3,52.9 53.3,41.3 104.5,41.3
(no net) on Top: 157.9,52.9 106.7,52.9 106.7,41.3 157.9,41.3
(no net) on Top: 104.5,80.5 53.3,80.5 53.3,68.9 104.5,68.9
(no net) on Top: 104.5,121.9 53.3,121.9 53.3,110.3 104.5,110.3
(no net) on Top: 157.9,66.7 106.7,66.7 106.7,55.1 157.9,55.1
(no net) on Top: 51.1,66.7 -0.1,66.7 -0.1,55.1 51.1,55.1
(no net) on Top: 157.9,11.5 106.7,11.5 106.7,-0.1 157.9,-0.1
(no net) on Top: 104.5,94.3 53.3,94.3 53.3,82.7 104.5,82.7

## Text on the board
F.Silkscreen: +5V | -12V | +12V | GND
